# KiCad board 8-Bit CPU 32k.kicad_pcb (continued)
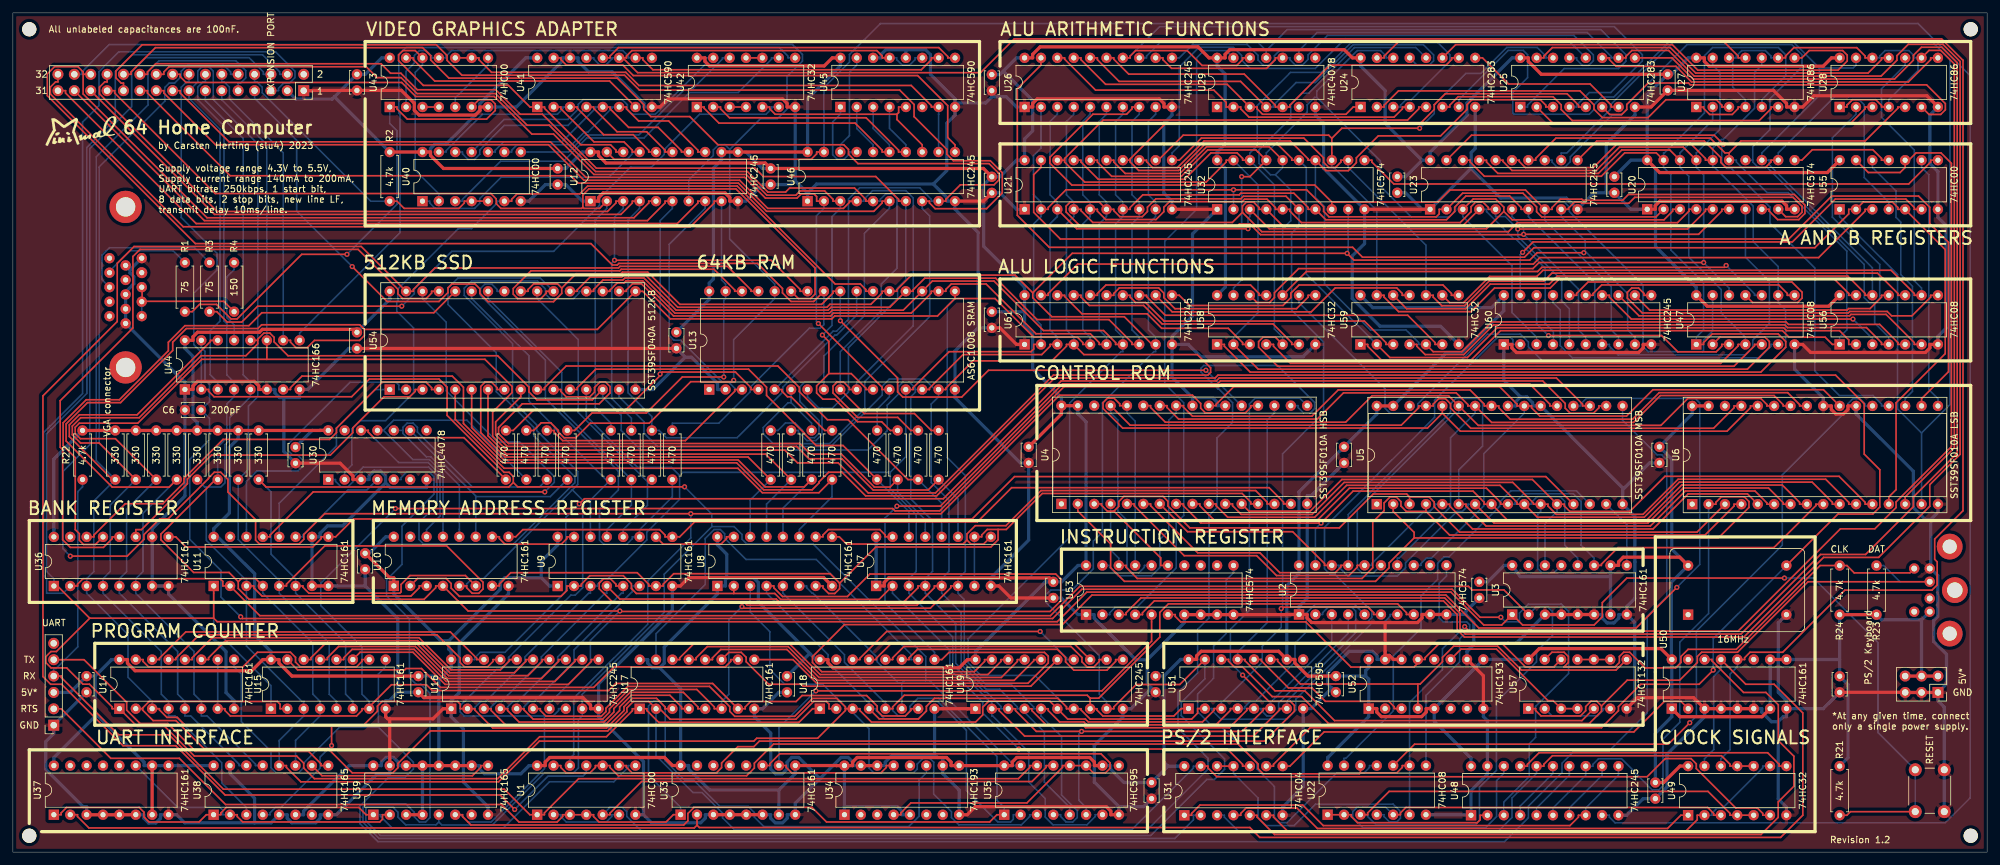
[diagram p0: board, top side]
## Nets (continued)
Net-(U38-Pad10): U38.10 U39.9
Net-(U40-Pad3): U40.3 U42.9
Net-(U40-Pad8): U40.8 U42.12
Net-(U40-Pad11): U40.11 U42.13
Net-(U41-Pad12): U41.12 U45.9
Net-(U42-Pad3): U42.3 U42.4
Net-(U42-Pad8): U42.8 U44.9
Net-(U42-Pad10): U42.10 U42.11
Net-(U43-Pad3): U43.3 U43.4
Net-(U43-Pad5): U43.5 U43.8
Net-(U47-Pad3): U47.3 U60.18
Net-(U47-Pad6): U47.6 U60.17
Net-(U47-Pad8): U47.8 U60.15
Net-(U47-Pad11): U47.11 U60.16
Net-(U48-Pad17): U48.17 U49.8
Net-(U51-Pad11): U51.11 U52.4 U57.8
Net-(U51-Pad12): U51.12 U52.3
Net-(U52-Pad11): U52.11 U57.3 U57.4
Net-(U55-Pad3): U55.3 U61.19
Net-(U55-Pad6): U55.6 U60.19
Net-(U56-Pad3): U56.3 U60.14
Net-(U56-Pad6): U56.6 U60.13
Net-(U56-Pad8): U56.8 U60.11
Net-(U56-Pad11): U56.11 U60.12
Net-(U57-Pad2): U57.2 U57.6
Net-(U57-Pad10): U57.9 U57.10 U57.11
Net-(U58-Pad3): U58.3 U61.18
Net-(U58-Pad6): U58.6 U61.17
Net-(U58-Pad8): U58.8 U61.15
Net-(U58-Pad11): U58.11 U61.16
Net-(U59-Pad3): U59.3 U61.14
Net-(U59-Pad6): U59.6 U61.13
Net-(U59-Pad8): U59.8 U61.11
Net-(U59-Pad11): U59.11 U61.12

Pads without a net: J1 6; J2 4 9 11 12 15; J3 2; J4 2 6; U2 12; U3 15; U4 1 30; U5 1 30; U6 1 30; U10 15; U11 15; U13 1; U18 15; U29 1 6 8; U30 6 8 13; U33 12 13 14 15; U34 2 3 6 7 12; U35 9; U36 15; U37 12 13 14 15; U38 7; U39 7; U41 9; U45 6; U50 11 15; U51 9; U52 2 6 7 12; U53 12 13 14; X1 1

## Via types
v1: diameter 0.8, hole 0.4, Top to Bottom, 50 vias

## Routing (per net, layer and track width the routed paths; a pad name or vN(x,y) marks a point on that pad's centre or on a via; arc(x,y) is an arc through that point)
+5V: length 1774.9
  Top w0.5: J5.2 J5.4 J5.6 ; U45.16 127.03,123.2 125.78,121.95 108,121.95 107.29,122.66 107.29,123.2 U42.14 ; U39.10 U39.11 U39.12 U39.13 U39.14 ; U4.31 U4.32 162.56,67.94 C7.1 ; U12.20 90.79,108.59 90.79,108.05 91.94,106.89 116.63,106.89 C2.1 150.48,106.04 C15.1 ; U50.7 271.18,21.01 258.44,21.01 U50.1 ; 283.2,107.32 281.29,105.41 255.3,105.41 U20.20 ; U33.16 102.27,13.43 101.03,14.67 83.23,14.67 82.53,13.96 82.53,13.42 U1.14 ; R2.1 58.43,108.59 U40.14 64.75,108.59 64.75,108.05 66.75,106.04 C26.1 ; X1.14 258.42,45.74 249.66,45.74 248.93,45.01 248.93,44.47 U3.10 ; U12.12 U12.11 U46.20 ; U56.14 281.51,84.67 262.68,84.67 U47.14 ; C10.1 52.88,81.09 38.67,81.09 38.22,80.64 28.62,80.64 27.92,79.93 27.92,79.38 U44.16 ; U52.5 219.11,22.26 219.11,21.72 218.41,21.01 212.15,21.01 211.45,21.72 211.45,22.26 U52.1 ; U49.14 258.46,13.34 255.91,10.79 C16.1 ; U28.14 281.95,123.2 280.66,121.91 262.98,121.91 262.24,122.66 262.24,123.2 U27.14 ; C13.1 58.42,42.55 59.05,42.55 U10.1 ; U50.10 U50.9 ; R22.1 R32.2 R31.2 R30.2 R29.2 R28.2 R27.2 R26.2 R25.2 47.63,65.41 47.64,65.41 U30.14 ; U26.20 158.1,123.2 158.1,123.75 159.26,124.91 183.72,124.91 185.43,123.2 U29.14 187.94,123.2 187.94,123.74 188.67,124.47 206.41,124.47 207.68,123.2 U24.16 ; U57.14 236.64,31.57 255.49,31.57 U50.16 ; U51.16 183.51,29.88 183.51,30.43 184.23,31.16 196.23,31.16 U51.10 198.75,29.88 198.75,29.34 200.79,27.31 C22.1 ; R24.1 R23.1 ; 16.51,29.86 17.76,29.86 17.76,29.32 18.95,28.13 37.02,28.13 38.75,29.86 41.26,29.86 41.26,29.32 43.27,27.31 C27.1 ; U19.20 147.98,29.85 146.71,28.59 127.15,28.59 126.36,29.38 126.36,29.86 125.11,29.86 ; U6.32 U6.31 ; U37.10 U37.7 ; U7.1 135.08,41.28 135.08,41.83 135.78,42.54 160.68,42.54 C12.1 ; U39.4 U39.3 ; U5.32 U5.31 ; U33.9 127.66,13.43 127.67,13.42 U34.16 130.17,13.42 130.17,13.96 130.88,14.68 144.74,14.68 145.45,13.97 145.45,13.42 U34.9 U35.16 154.94,13.42 154.94,13.97 155.64,14.67 166.96,14.67 167.67,13.96 167.67,13.42 U35.10 ; C19.1 236.95,120.65 234.95,122.65 234.95,123.2 U25.16
  Bottom w0.5: 156.84,83.82 C8.1 ; 156.84,83.82 U61.20 156.84,87.62 150.51,93.96 150.51,103.5 C15.1 153.02,104.75 155.59,107.32 156.84,107.32 156.84,110.63 158.1,111.88 158.1,116.57 153.53,121.14 ; 156.84,83.82 156.84,81.6 158.1,80.35 158.1,74.96 162.56,70.5 U4.32 ; U57.14 234.94,29.88 U52.9 227.98,29.86 220.99,22.87 U52.5 220.36,20.29 226.06,14.59 U48.20 ; 153.53,121.14 155.59,123.2 U26.20 ; 153.53,121.14 153,120.61 C3.1 ; 179.07,13.33 178.46,13.95 178.46,27.31 ; 179.07,13.33 U31.14 ; 179.07,13.33 C20.1 172.25,10.79 170.18,12.87 170.18,13.42 U35.10 ; U36.16 6.35,50.15 6.35,60.96 R22.1 ; U10.16 57.8,48.91 55.24,46.35 C13.1 ; 178.46,27.31 C4.1 ; 178.46,27.31 181.01,29.86 181.01,29.88 U51.16 ; 31.13,49.53 31.13,50.16 33.56,52.59 33.56,62.79 34.93,64.15 R26.2 ; 31.13,49.53 37.48,43.18 37.48,33.64 40.01,31.12 40.01,29.86 ; 31.13,49.53 U11.16 ; U52.16 210.2,28.63 209.73,28.17 209.73,27.31 ; 209.73,27.31 C22.1 ; 209.73,27.31 210.2,26.84 U52.1 210.2,21.01 203.86,14.67 203.83,14.67 U22.14 ; 295.9,36.02 295.9,28.62 295.91,28.61 J5.4 ; 295.9,36.02 289.74,36.02 R23.1 ; 295.9,36.02 J4.4 ; U33.9 121.3,12.18 118.76,9.64 ; R28.2 28.57,66.66 27.92,67.31 27.92,76.88 26.67,78.13 U44.16 ; C17.1 250.85,107.33 U20.20 ; 123.54,30.81 115.57,38.78 115.57,41.82 114.85,42.54 110.67,42.54 ; 123.54,30.81 124.48,29.86 125.11,29.86 ; 123.54,30.81 C23.1 ; U20.20 253.37,117.48 C19.1 257.18,120.65 259.73,123.2 U27.14 ; U20.20 254.66,106.04 254.66,93.94 260.98,87.62 U47.14 ; C27.1 65.44,27.31 66.04,26.71 ; 247.65,42.74 233.68,42.74 U3.16 231.19,44.47 228.64,41.92 C5.1 ; U4.31 165.1,68 166.38,66.72 U53.20 165.12,44.46 162.58,41.92 C12.1 160.04,41.92 149.23,31.11 U19.20 ; U51.10 197.5,41.33 199.4,43.23 U2.20 199.4,55.88 C9.1 211.45,67.94 U5.32 ; U38.16 U37.9 U37.10 20.34,13.42 20.34,13.94 13.21,21.07 12.75,21.07 ; R2.1 49.85,117.16 ; 49.85,117.16 49.5,116.81 43.85,116.81 J3.3 ; 49.85,117.16 C1.1 54.62,120.65 57.17,123.2 U43.14 ; 16.51,29.86 15.26,29.86 15.26,29.81 12.75,27.29 ; C26.1 85.74,106.04 88.29,108.59 U12.20 ; 218.46,107.32 219.72,107.32 219.72,108.58 225.44,114.3 225.44,116.2 232.44,123.2 U25.16 ; 218.46,107.32 215.91,104.77 C11.1 ; 218.46,107.32 212.74,113.05 212.74,118.14 208.93,121.95 U24.16 ; U37.16 6.35,14.67 12.75,21.07 ; U3.7 U3.10 ; 128.92,7.06 U34.1 ; 128.92,7.06 137.12,7.06 137.83,6.34 137.83,5.8 U34.5 ; 128.92,7.06 U34.16 ; 12.75,27.29 C25.1 8.89,24.76 6.33,24.76 ; 12.75,27.29 12.75,21.07 ; 81.92,42.56 81.92,45.11 84.46,47.64 U9.16 ; 81.92,42.56 83.2,41.28 U9.1 ; 81.92,42.56 76.25,42.56 75.56,41.88 75.56,40.76 67.58,32.78 ; U12.11 113.65,108.59 116.2,106.04 C2.1 ; U10.1 59.05,40.04 66.32,32.78 67.58,32.78 ; 118.76,9.64 108.01,9.64 104.77,12.88 104.77,13.43 U33.16 103.52,25.34 100.26,28.6 ; 118.76,9.64 U33.7 ; U39.14 59.71,13.42 59.71,13.97 58.99,14.69 57.86,14.69 57.13,13.96 57.13,13.42 U39.16 52.14,13.42 45.07,6.34 45.07,5.8 U38.6 ; 66.04,26.71 67.94,28.61 67.94,31.12 67.58,31.48 67.58,32.78 ; 66.04,26.71 U39.12 ; U29.14 186.69,121.95 187.94,120.7 187.94,109.82 186.7,108.58 186.7,107.32 187.99,106.03 187.99,87.67 U58.14 ; C21.1 46.41,65.41 U30.14 ; 110.67,42.54 110.67,46.21 109.22,47.65 U8.16 ; 110.67,42.54 110.47,42.34 110.47,41.28 U8.1 109.22,40.03 100.98,31.79 100.98,29.32 100.26,28.6 ; 100.26,28.6 99.13,28.6 98.42,29.31 98.42,29.85 U17.16 ; C10.1 53.34,80.66 58.42,85.74 U54.32 ; 283.21,29.88 R24.1 ; 283.21,29.88 C14.1 284.5,25.99 284.5,14.63 R21.1 ; 283.21,29.88 U50.9 ; U46.20 123.2,116.86 128.28,121.95 U45.16 ; U39.10 72.37,13.42 72.37,12.88 73.1,12.15 78.76,12.15 80.02,13.42 U1.14 ; U7.16 U7.1 ; U41.16 79.5,123.2 72.39,116.09 72.39,115.05 67.19,109.85 65.45,109.85 64.75,109.14 64.75,108.59 U40.14 ; U39.13 U39.4 ; C16.1 254.63,18.45 257.19,21 U50.1 U50.16 257.12,29.95 257.12,41.85 X1.14 257.18,46.99 257.18,60.96 C18.1 255.27,62.88 260.35,67.96 U6.32 ; U5.31 214,69.22 222.28,77.5 224.67,77.5 231.14,83.98 U60.20 229.23,84.45 210.82,84.45 209.4,85.88 ; U50.7 U50.10 ; C24.1 107.95,85.72 U13.32 107.95,88.25 108.61,88.9 108.61,106.09 109.86,107.34 U12.12
/VGA/V1: length 85.4
  Top w0.25: U45.7 142.4,115.58 142.4,115.78 139.27,118.92 97.05,118.92 95.01,120.96 74.21,120.96 72.25,122.92 72.25,123.2 U43.9 U43.10
  Bottom w0.25: U45.7 143.53,114.45 143.52,114.44 U46.12
/VGA/V2: length 72
  Top w0.25: U46.11 146.06,109.72 144.93,110.85 144.93,115.8 140.27,120.45 96.18,120.45 94.56,122.07 85.8,122.07 84.96,122.92 84.96,123.2 U41.15
/VGA/V4: length 70.5
  Top w0.25: U43.12 62.37,124.33 60.47,124.33 59.79,123.65 59.79,122.77 63.63,118.93 76.82,118.93 80.17,115.58 U41.1 82.42,115.58 82.42,115.37 88.07,109.72 92.65,109.72 93.49,108.88 93.49,108.59 U12.18
  Bottom w0.25: U43.12 63.5,122.07 62.36,120.94 62.36,105.77 66.03,102.1 U40.2
/VGA/V8: length 55.1
  Top w0.25: U12.17 96.03,108.59 96.03,108.88 94.74,110.17 90.09,110.17 84.96,115.3 84.96,115.58 U41.2
  Bottom w0.25: U40.1 64.62,100.97 64.62,100.69 65.46,99.85 71.59,99.85 72.38,100.65 72.38,101.37 75.69,104.68 92.4,104.68 96.03,108.31 96.03,108.59 U12.17
/VGA/V16: length 40
  Top w0.25: U41.3 87.5,115.58 87.5,115.38 91.59,111.29 96.16,111.29 98.57,108.88 98.57,108.59 U12.16
  Bottom w0.25: U41.3 85.25,115.58 85.25,115.3 84.41,114.45 72.81,114.45 67.16,108.8 67.16,108.59 U40.13
/VGA/V32: length 41.2
  Top w0.25: U41.4 90.04,115.58 90.04,115.37 93.67,111.74 98.25,111.74 101.11,108.88 101.11,108.59 U12.15
  Bottom w0.25: U41.4 86.06,112.72 76.19,112.72 72.38,108.92 72.38,108.25 71.58,107.45 70.57,107.45 69.7,108.31 69.7,108.59 U40.12
/VGA/V64: length 37.5
  Top w0.25: U12.14 103.65,108.59 103.65,108.8 100.04,112.42 95.46,112.42 92.58,115.3 92.58,115.58 U41.5
  Bottom w0.25: U41.5 90.33,115.58 90.33,115.38 85.12,110.17 76.07,110.17 74.78,108.88 74.78,108.59 73.66,108.59
/VGA/V128: length 37.5
  Top w0.25: U12.13 106.19,108.59 106.19,108.88 101.66,113.41 97.01,113.41 95.12,115.3 95.12,115.58 U41.6
  Bottom w0.25: U41.6 92.87,115.58 92.87,115.4 89.14,111.67 88.59,111.67 86.64,109.72 78.17,109.72 77.32,108.87 77.32,108.59 U40.9
/VGA/V256: length 38.9
  Top w0.25: U41.7 92.51,119.6 65.4,119.6 62.09,122.92 62.09,123.2 U43.13
GND: length 1941.7
  Top w0.5: 212.74,30.51 213.4,30.51 214.03,29.88 U52.14 ; 212.74,30.51 212.74,35.61 ; 212.74,30.51 U52.15 ; U46.10 150.49,100.97 C15.2 ; C21.2 50.73,60.32 52.72,58.34 52.72,57.79 U30.3 ; U19.1 147.98,22.23 147.97,22.25 U18.8 ; U35.8 170.21,5.8 170.21,6.35 169.51,7.05 149.2,7.05 147.95,5.8 U34.8 ; U12.1 90.79,100.97 90.79,101.52 91.51,102.24 110.43,102.24 111.15,101.52 111.15,100.97 U12.10 ; U44.1 27.92,71.76 27.92,72.31 28.62,73.02 37.42,73.02 38.12,72.31 38.12,71.76 U44.6 ; 58.42,20.68 U39.15 ; 58.42,20.68 65.13,20.68 66.69,22.25 U16.1 ; 58.42,20.68 58.1,20.68 57.79,20.99 U15.8 ; U2.10 U2.9 218.46,36.86 218.46,36.31 217.76,35.61 212.74,35.61 ; U11.8 U11.7 ; U37.3 U37.4 U37.5 U37.6 ; U50.6 U50.5 U50.4 U50.3 260.57,23.95 251.88,23.95 U57.7 ; U32.1 U21.10 ; 212.74,35.61 201.35,35.61 200.65,36.31 200.65,36.86 U2.1 198.14,36.86 198.12,36.84 U53.10 U53.8 U53.7 ; U52.10 227.98,27.34 U52.8 ; U8.8 125.7,42.59 104.8,42.59 103.49,41.28 U9.8 ; U33.3 U33.4 U33.5 U33.6 ; U20.1 254.62,99.71 254.62,100.26 255.32,100.97 274.28,100.97 274.98,100.26 274.98,99.71 U20.10 ; C24.2 102.85,78.12 C10.2 ; J5.1 J5.3 J5.5 293.35,24.78 C14.2 ; U56.7 297.19,78.75 297.19,78.2 296.49,77.5 278.72,77.5 277.47,78.75 U47.7 ; U60.1 232.4,78.75 232.4,78.2 233.1,77.5 252.05,77.5 252.75,78.21 252.75,78.75 U60.10 ; C27.2 63.71,23.96 88.39,23.96 89.55,22.79 89.55,22.25 U16.10 ; U61.1 155.59,78.75 153.02,81.32 C8.2 ; U26.1 158.1,115.58 158.1,116.13 158.81,116.84 177.73,116.84 178.45,116.12 178.45,115.58 U26.10 ; U42.7 120.03,115.58 120.03,116.13 119.33,116.83 101.58,116.83 100.33,115.58 U41.8 ; U43.7 72.41,115.58 72.41,115.03 71.71,114.33 62.98,114.33 62.23,115.08 62.23,116.15 60.23,118.15 C1.2 46.43,118.15 46.39,118.11 J3.1 ; U34.15 U34.14 ; U6.24 281.92,69.21 281.92,68.66 282.64,67.94 283.78,67.94 284.5,68.67 284.5,69.21 U6.22 ; U28.7 298.44,115.61 296.73,117.33 279.22,117.33 277.48,115.58 U27.7 274.97,115.58 274.97,116.12 272.95,118.15 C19.2 253.97,115.58 U25.8 ; U23.1 U32.10 ; U3.6 U3.5 U3.4 U3.3 ; C12.2 154.73,39.42 152.86,41.28 U7.8
  Bottom w0.5: 54.61,41.28 C13.2 ; 54.61,41.28 U11.8 ; 54.61,41.28 59.66,36.23 59.66,24.81 ; 121.25,104.17 120.62,103.54 C2.2 116.22,103.54 113.65,100.97 U12.10 ; 121.25,104.17 121.28,104.2 U42.7 ; 121.25,104.17 123.2,102.23 ; U5.16 251.46,52.06 251.46,45 251.47,44.99 251.47,39.37 250.22,38.12 U3.8 ; U5.16 249.56,56.51 236.86,69.21 235.6,69.21 235.6,69.71 234.71,70.6 233.73,70.6 ; U5.16 249.56,56.2 253.72,60.36 C18.2 ; 225.23,36.86 226.48,35.62 226.48,32.17 225.44,31.14 ; 225.23,36.86 U2.10 ; 225.23,36.86 225.23,37.31 C5.2 ; U34.8 146.7,9.63 144.16,12.17 U34.10 144.16,14.67 143.34,14.67 142.89,15.12 ; U3.8 251.43,35.64 251.43,23.5 U57.7 ; U3.8 248.97,36.85 248.97,36.3 248.21,35.55 247.15,35.55 246.39,36.31 246.39,36.85 U3.6 ; U58.7 200.02,76.83 184.15,76.83 182.24,78.75 U61.10 ; U60.1 231.14,73.19 233.73,70.6 ; 247.06,102.27 247.01,102.31 247.01,104.77 247.02,109.88 251.48,114.33 U25.8 ; 247.06,102.27 C17.2 250.85,99.71 U20.1 ; 247.06,102.27 245.14,102.27 U23.10 240.83,101.45 230.66,101.45 226.09,106.02 226.09,106.65 ; 297.33,51.6 296.48,51.6 294.64,53.44 294.64,59.07 285.75,67.96 U6.22 ; 297.33,51.6 298.45,52.72 U6.16 ; 297.33,51.6 297.33,43.99 ; 226.09,106.65 226.09,108.52 226.71,109.14 U24.8 ; 226.09,106.65 226.09,106.08 U23.1 218.46,99.7 215.89,102.27 C11.2 ; 273.69,20.23 272.62,20.23 271.14,21.71 271.14,22.25 U50.6 ; 273.69,20.23 274.46,21 274.97,21 U50.8 ; 273.69,20.23 273.69,8.25 274.95,6.98 U49.7 ; 146.06,116.21 150.81,116.21 151.77,117.16 ; 146.06,116.21 U45.8 146.06,114.33 144.78,113.05 144.78,105.71 142.7,103.63 ; 146.06,116.21 146.06,116.83 142.25,120.64 142.25,123.7 141.5,124.45 138.45,124.45 ; 226.06,5.8 U48.1 ; 226.06,5.8 226.06,9.54 228.6,12.08 U48.19 228.6,20.39 227.98,21.01 U52.8 ; 226.06,5.8 U22.7 ; U12.1 88.29,100.97 85.72,103.54 C26.2 82.56,103.54 79.99,100.97 78.74,100.97 ; 175.85,29.83 175.85,26.12 176.54,25.43 ; 175.85,29.83 181.62,35.59 U53.7 ; 175.85,29.83 174.09,29.83 167.63,36.29 167.63,36.84 U53.1 165.12,36.84 162.54,39.42 C12.2 ; U21.1 155.59,99.7 153.04,102.25 C15.2 ; U37.6 20.3,5.8 20.3,5.26 21.04,4.51 22.14,4.51 22.88,5.25 22.88,5.8 U37.8 25.38,5.8 26.63,4.55 37.46,4.55 ; U33.6 117.47,5.81 117.47,5.27 118.2,4.54 119.33,4.54 120.05,5.26 120.05,5.81 U33.8 121.3,7.59 125.11,11.4 ; U18.8 142.89,15.12 ; U59.7 221.33,81.57 211.95,81.57 207.65,85.87 207.65,92.47 209.56,94.38 U32.10 203.21,106.05 203.21,113.05 201.93,114.33 U29.7 ; U10.8 76.84,40.04 69.2,32.41 69.2,24.75 67.94,23.5 U16.1 67.94,20.99 69.85,19.09 69.85,10.86 73.66,7.05 U39.8 ; 97.77,5.8 97.77,14.03 90.81,20.99 U16.10 90.81,26.1 102.24,37.53 U9.8 ; 97.77,5.8 99.01,4.55 106.64,4.55 107.35,5.27 107.35,5.81 U33.3 ; 97.77,5.8 U1.7 ; U41.8 97.82,115.58 97.82,116.13 92.91,121.04 89.24,121.04 87.63,122.66 87.63,123.2 U41.14 85.12,123.2 85.12,122.66 78.05,115.58 U43.7 ; 204.47,25.44 203.85,26.06 203.85,27.86 207.14,31.14 210.78,31.14 211.49,30.43 211.49,29.88 U52.15 ; 204.47,25.44 201.29,22.26 U51.8 200.04,10.16 196.85,6.97 U31.7 ; 204.47,25.44 C22.2 ; 104.24,76.78 99.21,71.75 U54.16 ; 104.24,76.78 C24.2 ; 104.24,76.78 105.17,76.78 109.24,72.71 109.24,71.75 U13.2 ; U2.1 199.4,38.11 200.66,39.38 U4.16 200.66,55.26 201.27,55.26 C9.2 ; 125.11,11.4 121.83,14.68 120.75,14.68 120.03,13.96 120.03,12.9 119.27,12.13 118.25,12.13 117.49,12.89 117.49,18.44 114.95,20.98 U17.8 116.2,22.23 118.75,24.78 C23.2 ; 125.11,11.4 128.39,14.68 129.5,14.68 130.21,13.97 130.21,13.42 U34.15 ; 149.64,81.32 149.64,96.14 146.06,99.72 U46.10 144.8,100.97 144.8,101.52 142.7,103.63 ; 149.64,81.32 146.05,77.73 U13.16 146.05,70.5 156.19,60.36 C7.2 157.48,48.41 151.61,42.54 U7.8 ; 149.64,81.32 C8.2 ; U32.1 182.88,95.89 182.88,83.18 179.71,80 U61.10 ; 138.45,124.45 135.32,124.45 134.62,123.74 134.62,123.2 U45.14 ; 138.45,124.45 U45.12 ; U30.7 64.13,56.54 58.51,56.54 57.78,57.28 ; 176.54,25.43 C4.2 ; 176.54,25.43 173.34,22.23 U19.10 172.09,20.98 167.66,16.55 167.66,10.86 171.47,7.05 ; 18.15,90.33 18.15,89.85 18.74,89.26 18.74,88.16 17.48,86.9 J2.8 J2.7 J2.6 26.46,73.02 26.67,73.02 U44.1 26.67,55.23 21.59,50.15 U36.10 U36.7 U36.8 24.13,40.02 33.04,31.11 33.04,24.75 34.29,23.5 U14.8 ; 18.15,90.33 19.95,92.13 J2.5 ; 18.15,90.33 J2.10 ; C10.2 52.06,78.12 45.7,71.76 U44.8 44.45,70.51 42.01,70.51 ; 231.78,69.21 233.03,69.21 233.03,69.9 233.73,70.6 ; 59.66,24.81 58.35,23.5 57.79,23.5 U15.8 ; 59.66,24.81 C27.2 ; 182.88,70.5 179.71,73.68 U61.10 ; 182.88,70.5 U4.24 ; 182.88,70.5 186,70.5 186.71,69.79 186.71,69.25 U4.22 ; U30.3 55.22,57.79 55.22,58.34 55.99,59.11 57,59.11 57.78,58.32 57.78,57.28 ; C21.2 42.01,62.13 42.01,70.51 ; C25.2 11.41,24.78 J1.1 6.33,18.38 5.09,17.15 5.09,12.84 10.88,7.05 11.43,7.05 U37.3 ; U50.3 262.27,21 256.44,15.17 256.44,10.1 C16.2 252.75,8.29 250.17,5.72 U48.10 ; 57.78,57.28 51.11,50.61 48.78,50.61 47.62,49.45 47.62,48.91 U11.10 U11.7 ; U52.10 225.44,31.14 ; 225.44,31.14 226.69,32.38 233.05,32.38 237.51,36.85 U3.3 ; U39.15 58.42,12.17 56.52,12.17 50.15,5.8 U38.8 47.64,5.8 47.64,5.25 46.94,4.55 43.23,4.55 42.53,5.26 42.53,5.8 U38.5 40.02,4.55 37.47,4.55 37.46,4.55 ; 151.77,117.16 C3.2 ; 151.77,117.16 154.02,117.16 155.59,115.58 U26.1 ; 142.89,15.12 136.4,15.12 135.25,13.97 135.25,13.42 U34.14 ; X1.7 273.7,35.57 273.7,24.78 274.97,23.51 U50.8 ; 142.7,103.63 124.6,103.63 123.2,102.23 ; 37.46,4.55 37.46,8.36 33.66,12.17 U38.15 ; U35.8 171.47,7.05 ; 171.47,7.05 175.29,7.05 C20.2 ; C14.2 280.68,22.25 U50.8 ; 123.2,102.23 U46.1 ; U6.24 280.67,70.46 276.22,74.91 U47.7 ; 42.01,70.51 41.32,70.51 40.62,71.22 40.62,71.76 U44.6 ; 297.33,43.99 298.42,42.9 298.42,36.55 297.78,35.92 297.78,32.67 299.77,30.68 299.77,26.09 J5.1 298.45,23.46 299.43,22.48 SW1.2 SW1.2 ; 297.33,43.99 J4.3 ; U26.10 179.71,114.33 178.44,113.06 178.44,102.23 179.71,100.96 U21.10 ; U56.7 298.44,80 299.71,81.26 299.71,97.19 298.44,98.45 U55.7 298.44,105.56 297.2,106.81 297.2,114.33 U28.7
2MHz: length 404.9
  Top w0.25: U41.11 94.56,123.2 ; 94.56,123.2 96.85,120.9 150.01,120.9 155.25,126.15 299.01,126.15 302.34,122.82 302.34,52.96 297.94,48.56 297.94,45.42 298.33,45.03 298.33,41.45 297.52,40.64 284.02,40.64 274.38,31 269.32,31 268.48,30.16 268.48,29.88 U50.12 ; 94.56,123.2 95.12,123.2 95.12,123.48 95.96,124.33 133.94,124.33 134.78,123.48 134.78,123.2 U45.13
  Bottom w0.25: U41.11 92.87,123.2 92.87,123.02 91.92,122.07 90.99,122.07 90.04,123.02 90.04,123.2 U41.13 ; U45.13 137.03,123.2 137.03,122.92 137.87,122.07 139.02,122.07 139.86,122.92 139.86,123.2 U45.11 ; U50.12 267.35,28.75 266.22,27.62 266.22,15.9 264.8,14.47 U49.12
/ALU/A0: length 218.5
  Top w0.25: 163.05,107.32 163.05,107.58 169.02,113.55 216.22,113.55 217.96,115.3 217.96,115.58 U24.5 ; 163.05,107.32 163.05,107.04 166.17,103.92 184.99,103.92 188.11,107.04 188.11,107.32 189.24,107.32 ; 163.05,107.32 161.93,107.32 ; U58.2 193.07,74.91 268.91,74.91 272.31,78.31 272.31,79.21 271.61,79.9 264.67,79.9 U47.2
  Bottom w0.25: U58.2 189.23,79.88 193.04,83.69 193.04,103.5 189.24,107.31 189.24,107.32
/ALU/A1: length 204.4
  Top w0.25: 191.78,107.32 190.65,107.32 190.65,107.61 189.8,108.45 185.73,108.45 181.65,104.37 168.26,104.37 165.59,107.04 165.59,107.32 164.47,107.32 ; U58.5 195.72,79.88 193.82,79.88 193.13,79.19 193.13,78.31 196.08,75.37 266.83,75.37 270.01,78.55 270.01,78.75 U47.5
  Bottom w0.25: U24.3 215.14,115.58 215.14,115.86 215.98,116.71 216.8,116.71 222.78,122.69 222.78,123.69 220.77,125.7 207.61,125.7 202.86,120.94 198.07,120.94 192.9,115.77 192.9,109.58 191.78,108.45 191.78,107.31 195.58,103.5 195.58,81.15 196.85,79.88 U58.5
/ALU/A2: length 180.1
  Top w0.25: 167,107.32 168.13,107.32 168.13,107.04 170.35,104.82 181.15,104.82 185.24,108.92 192.71,108.92 193.04,108.58 193.06,108.58 194.31,107.32 191.77,104.77 v1(190.5,104.77)
  Bottom w0.25: v1(190.5,104.77) 190.5,88.77 189.23,87.5 U58.13 ; 194.31,107.32 194.31,108.45 200.66,114.79 200.66,115.91 201.83,117.08 202.15,117.08 ; 202.15,117.08 202.15,118.04 208.43,124.33 212.04,124.33 212.88,123.48 212.88,123.2 U24.14 ; 202.15,117.08 212.01,107.22 212.01,103.3 216.79,98.52 222.67,98.52 223.66,99.52 223.66,100.17 224.37,100.87 240.47,100.87 241.31,100.04 241.31,99.37 252.74,87.94 252.74,78.41 253.52,77.62 261.98,77.62 262.11,77.75 262.11,79.43 263.52,80.84 U47.13
/ALU/A3: length 171.8
  Top w0.25: 196.86,107.32 194.78,109.4 185.06,109.4 180.92,105.27 172.44,105.27 170.67,107.04 170.67,107.32 169.55,107.32 ; U58.10 200.54,90.06 236.39,90.06 237.04,90.71 265.32,90.71 v1(265.61,91)
  Bottom w0.25: U24.12 217.49,124.8 207.98,124.8 200.92,117.73 199.92,117.73 198.12,115.92 198.12,113.85 193.18,108.91 193.18,106.84 194.96,105.07 195.72,105.07 ; U47.10 270.01,86.37 270.01,86.6 v1(265.61,91) ; 196.86,107.32 196.86,106.2 195.72,105.07 ; 195.72,105.07 198.12,102.67 198.12,97.94 196.85,96.67 U58.10
/ALU/A4: length 219.6
  Top w0.25: U25.5 242.73,115.58 242.73,115.86 240.96,117.63 222.06,117.63 220.36,115.93 220.36,115.19 218.24,113.07 178.76,113.07 173.21,107.53 173.21,107.32 ; U56.2 284.62,78.75 284.62,79.45 283.19,80.88 274.97,80.88 274.52,81.33 230.11,81.33 225.49,76.72 213.48,76.72 U59.2 ; 172.09,107.32 173.21,107.32 ; 173.21,107.32 173.21,107.06 174.54,105.73 180.74,105.73 184.86,109.85 196.02,109.85 198.27,107.61 198.27,107.32 199.4,107.32
  Bottom w0.25: 199.4,107.32 200.52,106.2 200.52,89.67 211.44,78.75 U59.2
/ALU/A5: length 192.4
  Top w0.25: 238.78,115.58 237.65,115.58 237.65,115.86 236.81,116.71 226.2,116.71 225.44,115.95 225.44,115.19 221.35,111.11 211.69,111.11 208.29,107.7 208.29,106.95 207.04,105.71 203.55,105.71 201.94,107.32 200.81,107.32 200.81,107.52 198.03,110.3 184.67,110.3 180.55,106.18 176.68,106.18 175.75,107.11 175.75,107.32 174.62,107.32 ; U59.5 220.2,77.62 224.64,77.62 229.25,82.23 274.9,82.23 275.27,81.86 289.42,81.86 292.24,79.03 292.24,78.75 U56.5
  Bottom w0.25: U59.5 217.94,78.75 217.94,79.03 215.98,80.99 210.47,80.99 203.35,88.12 203.35,100.11 201.94,101.52 201.94,107.32
/ALU/A6: length 177.1
  Top w0.25: 204.48,110.72 206.04,112.28 v1(218.09,112.28) ; 204.48,110.72 203.99,111.2 181.44,111.2 177.56,107.32 177.17,107.32 ; 204.48,110.72 204.48,107.32 ; U59.13 212.58,86.37 212.58,86.09 214.83,83.84 226.05,83.84 229.71,87.5 238.33,87.5 239.74,88.9 282.37,88.9 284.62,86.65 284.62,86.37 U56.13
  Bottom w0.25: 204.48,107.32 204.48,106.2 204.76,106.2 211.45,99.51 U59.13 ; 238.78,123.2 237.65,123.2 237.65,123.48 236.32,124.81 231.6,124.81 227.57,120.79 225.24,120.79 220.36,115.91 220.36,114.55 v1(218.09,112.28)
/ALU/A7: length 220.5
  Top w0.25: U56.10 292.24,86.37 292.24,86.65 289.09,89.8 238.59,89.8 237.34,88.55 228.85,88.55 225.06,84.76 221.53,84.76 220.2,86.09 220.2,86.37 U59.10 ; 179.71,107.32 180.83,107.32 184.26,110.75 200.14,110.75 203.21,107.69 203.21,107 204.01,106.2 205.05,106.2 205.89,107.04 205.89,107.32 207.02,107.32
  Bottom w0.25: U25.12 240.89,126.17 206.53,126.17 201.92,121.55 191.79,121.55 190.5,122.85 190.5,123.56 189.23,124.83 183.89,124.83 180.83,121.78 180.83,109.58 179.71,108.45 179.71,107.32 ; U59.10 219.07,94.14 207.02,106.2 207.02,107.32
/ALU/B0: length 215.8
  Top w0.25: U47.1 262.11,78.75 262.11,79.03 263.45,80.38 273.68,80.38 274.85,79.21 274.85,78.31 270.99,74.45 191.83,74.45 187.82,78.47 187.82,78.75 U58.1 ; U20.19 254.79,108.46 249.89,108.46 246.26,104.83 228.13,104.83 225.92,107.04 225.92,107.32 224.8,107.32
  Bottom w0.25: 271.14,115.58 271.14,116.71 274.86,120.42 274.86,123.66 273.72,124.8 263.52,124.8 262.25,123.54 262.25,114.66 256.05,108.46 255.91,108.46 U20.19 255.91,106.21 257.04,105.08 257.04,93.39 262.11,88.32 262.11,81 260.98,79.88 U47.1
/ALU/B1: length 154.4
  Top w0.25: U20.18 256.88,108.91 249.43,108.91 245.8,105.28 230.22,105.28 228.46,107.04 228.46,107.32 227.34,107.32 ; U58.4 195.44,78.75 195.44,78.47 198.09,75.82 264.76,75.82 267.47,78.53 267.47,78.75 U47.4
  Bottom w0.25: U27.2 263.53,113.54 258.45,108.46 U20.18 258.45,106.21 259.82,104.84 259.82,92.29 264.84,87.26 264.84,83.63 268.6,79.88 U47.4
/ALU/B2: length 149
  Top w0.25: U20.17 258.97,109.36 249.09,109.36 245.46,105.73 232.42,105.73 231,107.15 231,107.32 229.88,107.32 ; U58.12 192.9,85.24 194.82,85.24 195.58,86.01 195.58,86.76 199.33,90.51 235.66,90.51 236.6,91.45 v1(262.13,91.45)
  Bottom w0.25: U47.12 266.06,87.5 262.13,91.43 v1(262.13,91.45) 262.13,105.07 260.99,106.21 U20.17 260.99,108.46 264.65,112.12 264.65,120.95 263.53,122.07 U27.13
/ALU/B3: length 181.5
  Top w0.25: U20.16 262.4,107.33 262.4,107.59 260.14,109.85 248.7,109.85 245.02,106.18 234.48,106.18 233.54,107.12 233.54,107.32 232.42,107.32
  Bottom w0.25: 271.14,123.2 271.14,122.07 270.02,120.95 270.02,115.38 265.16,110.53 264.87,110.53 263.53,109.19 U20.16 263.53,106.21 263.81,106.21 269.81,100.21 269.81,94.69 273.68,90.82 U47.9 273.68,85.24 274.82,84.1 274.82,78.28 272.73,76.19 237.15,76.19 234.95,78.38 234.95,79.11 233.72,80.34 228.61,80.34 217.81,69.54 217.81,68.81 217.08,68.08 213.51,68.08 212.73,68.87 212.73,71.88 199.39,85.22 U58.9
/ALU/B4: length 182.6
  Top w0.25: 266.07,108.46 267.92,110.31 287.17,110.31 292.24,115.38 292.24,115.58 U28.5 ; 266.07,108.46 U20.15 ; 266.07,108.46 265.43,108.46 263.14,110.75 239.23,110.75 236.08,107.61 236.08,107.32 234.95,107.32 ; U59.1 210.04,78.75 210.04,78.47 212.24,76.27 226.02,76.27 230.63,80.88 274.34,80.88 275.34,79.88 280.95,79.88 282.08,78.75 U56.1
  Bottom w0.25: U20.15 267.2,107.33 267.2,107.05 271.95,102.3 275.24,102.3 284.33,93.21 284.33,81 283.2,79.88 U56.1
/ALU/B5: length 222.9
  Top w0.25: U56.4 289.7,78.75 289.7,79.03 287.37,81.36 275.13,81.36 274.71,81.78 229.55,81.78 224.93,77.17 218.96,77.17 217.66,78.47 217.66,78.75 U59.4
  Bottom w0.25: 288.64,85.1 287.93,85.1 287.01,86.01 287.01,91.16 271.96,106.21 270.58,106.21 269.74,107.05 269.74,107.33 ; 288.64,85.1 288.64,82.06 290.82,79.88 U56.4 ; 288.64,85.1 289.42,85.88 289.42,91.16 282.08,98.5 282.08,110.79 285.75,114.45 U28.2 ; 237.5,107.32 238.62,107.32 238.62,107.04 239.49,106.17 240.53,106.17 241.45,107.1 241.45,107.85 247.94,114.34 249.35,114.34 250.2,115.2 250.2,115.91 259.55,125.26 275.79,125.26 277.36,123.69 277.36,121.79 272.42,116.85 272.42,112.08 269.74,109.4 269.74,107.33 ; 269.74,107.33 U20.14
/ALU/B6: length 182.8
  Top w0.25: U56.12 287.16,86.37 287.16,86.65 284.46,89.35 239.44,89.35 238.19,88.1 229.04,88.1 225.22,84.29 216.07,84.29 U59.12
  Bottom w0.25: 280.06,121.62 280.06,117.38 271.15,108.46 U20.13 272.28,107.33 272.28,106.64 288.29,90.63 U56.12 ; 280.06,121.62 275.98,125.71 257.47,125.71 247.67,115.9 247.67,115.19 240.92,108.45 240.04,108.45 240.04,107.32 ; 280.06,121.62 285.29,121.62 285.75,122.07 U28.13
/ALU/B7: length 175.4
  Top w0.25: U20.12 272.56,107.33 272.56,107.05 271.72,106.21 265.56,106.21 264.8,106.97 264.8,107.72 262.22,110.3 245.55,110.3 242.57,107.32 ; U59.9 222.75,85.23 224.89,85.23 228.96,89.29 236.26,89.29 237.22,90.25 291.18,90.25 294.78,86.65 294.78,86.37 U56.9
  Bottom w0.25: 289.7,117.18 282.41,117.18 273.69,108.46 U20.12 ; 289.7,117.18 289.7,113.99 294.78,108.91 294.78,88.62 295.91,87.5 U56.9 ; 289.7,117.18 289.7,118.41 293.37,122.07 U28.10
/ALU/BUS0: length 786.7
  Top w0.25: U21.2 160.51,99.7 160.51,99.99 163.26,102.74 v1(189.24,102.74) 200.57,102.74 203.21,100.11 203.21,99.38 204.04,98.55 220.67,98.55 221.13,99 221.13,99.7 U23.2 224.76,102.21 234.1,102.21 236.23,100.09 236.23,99.33 237.02,98.53 254.73,98.53 U20.2 ; U51.7 196.37,22.26 196.37,22.05 192.33,18 156.85,18 152.9,21.95 152.9,22.23 U19.2 ; R32.1 15.43,57.78 8.75,64.46 8.75,66.27 10.31,67.83 19.25,67.83 30.62,79.21 30.62,79.38 U44.14 ; U17.3 101.12,22.23 101.12,22.52 99.78,23.86 96.05,23.86 94.74,22.55 94.74,21.96 92.03,19.25 74.39,19.25 71.61,22.03 71.61,22.25 U16.2 69.36,22.25 69.36,22.95 68.94,23.37 57.24,23.37 56.52,22.64 56.52,21.85 54.19,19.52 49.41,19.52 ; U61.2 158.26,78.75 158.26,78.05 157.84,77.62 145.14,77.62 139.56,72.04 139.56,71.75 U13.13 ; 49.41,19.52 26.86,19.52 25.49,20.89 23.89,20.89 22.72,22.07 22.72,22.25 U14.3 ; 49.41,19.52 v1(49.41,16.52)
  Bottom w0.25: U2.2 203.06,36.86 203.06,37.14 203.9,37.99 207.58,37.99 208.18,37.38 208.18,35.69 ; v1(49.41,16.52) 47.63,14.74 47.63,13.03 41.52,6.93 40.7,6.93 39.86,6.08 39.86,5.8 U38.4 ; U16.2 71.61,22.25 71.61,22.43 72.55,23.37 73.28,23.37 79.38,29.46 79.38,30.27 89.25,40.15 89.53,40.15 U9.3 90.66,41.28 90.66,41.56 91.5,42.4 92.25,42.4 98.28,48.43 98.28,49.63 103.37,54.72 103.37,58.41 ; U14.3 21.59,23.37 17.85,27.11 17.85,33.73 11.43,40.15 U36.3 11.43,42.4 12.56,43.53 12.56,54.47 R32.1 12.92,60.74 12.92,107.86 20.96,115.89 20.96,121.05 22.63,122.73 34.58,122.73 36.1,121.21 36.1,120.09 35.29,119.29 34.93,119.29 J3.9 ; U26.2 159.39,109.2 158.23,108.04 158.23,101.99 159.39,100.83 U21.2 159.39,98.58 158.25,97.45 158.25,82.91 159.39,81.78 U61.2 ; U35.7 167.8,5.8 167.8,5.52 166.5,4.22 161.25,4.22 160.03,5.44 160.03,8.34 157.5,10.88 157.5,15.53 151.91,21.11 151.77,21.11 U19.2 151.77,23.36 151.45,23.36 145.71,29.1 145.71,33.36 138.91,40.16 U7.3 138.91,42.41 140.04,43.54 140.04,52.34 136.02,56.36 136.02,58.91 ; 103.37,58.41 103.87,58.91 136.02,58.91 ; 103.37,58.41 102.11,59.67 96.84,59.67 88.9,67.61 U54.13 ; 208.18,35.69 209.99,35.69 210.69,36.39 210.69,37.34 205.05,42.98 204.32,42.98 203.34,43.95 203.34,50.38 220.41,67.44 220.41,70.08 230.2,79.88 232.14,79.88 232.56,79.45 232.56,78.75 U60.2 ; 208.18,35.69 208.18,34.07 197.5,23.39 U51.7 ; 136.02,58.91 138.43,61.33 U13.13 ; v1(189.24,102.74) U32.2
